# Altium PCB spd150.PcbDoc (part 14 of 15) (continued)
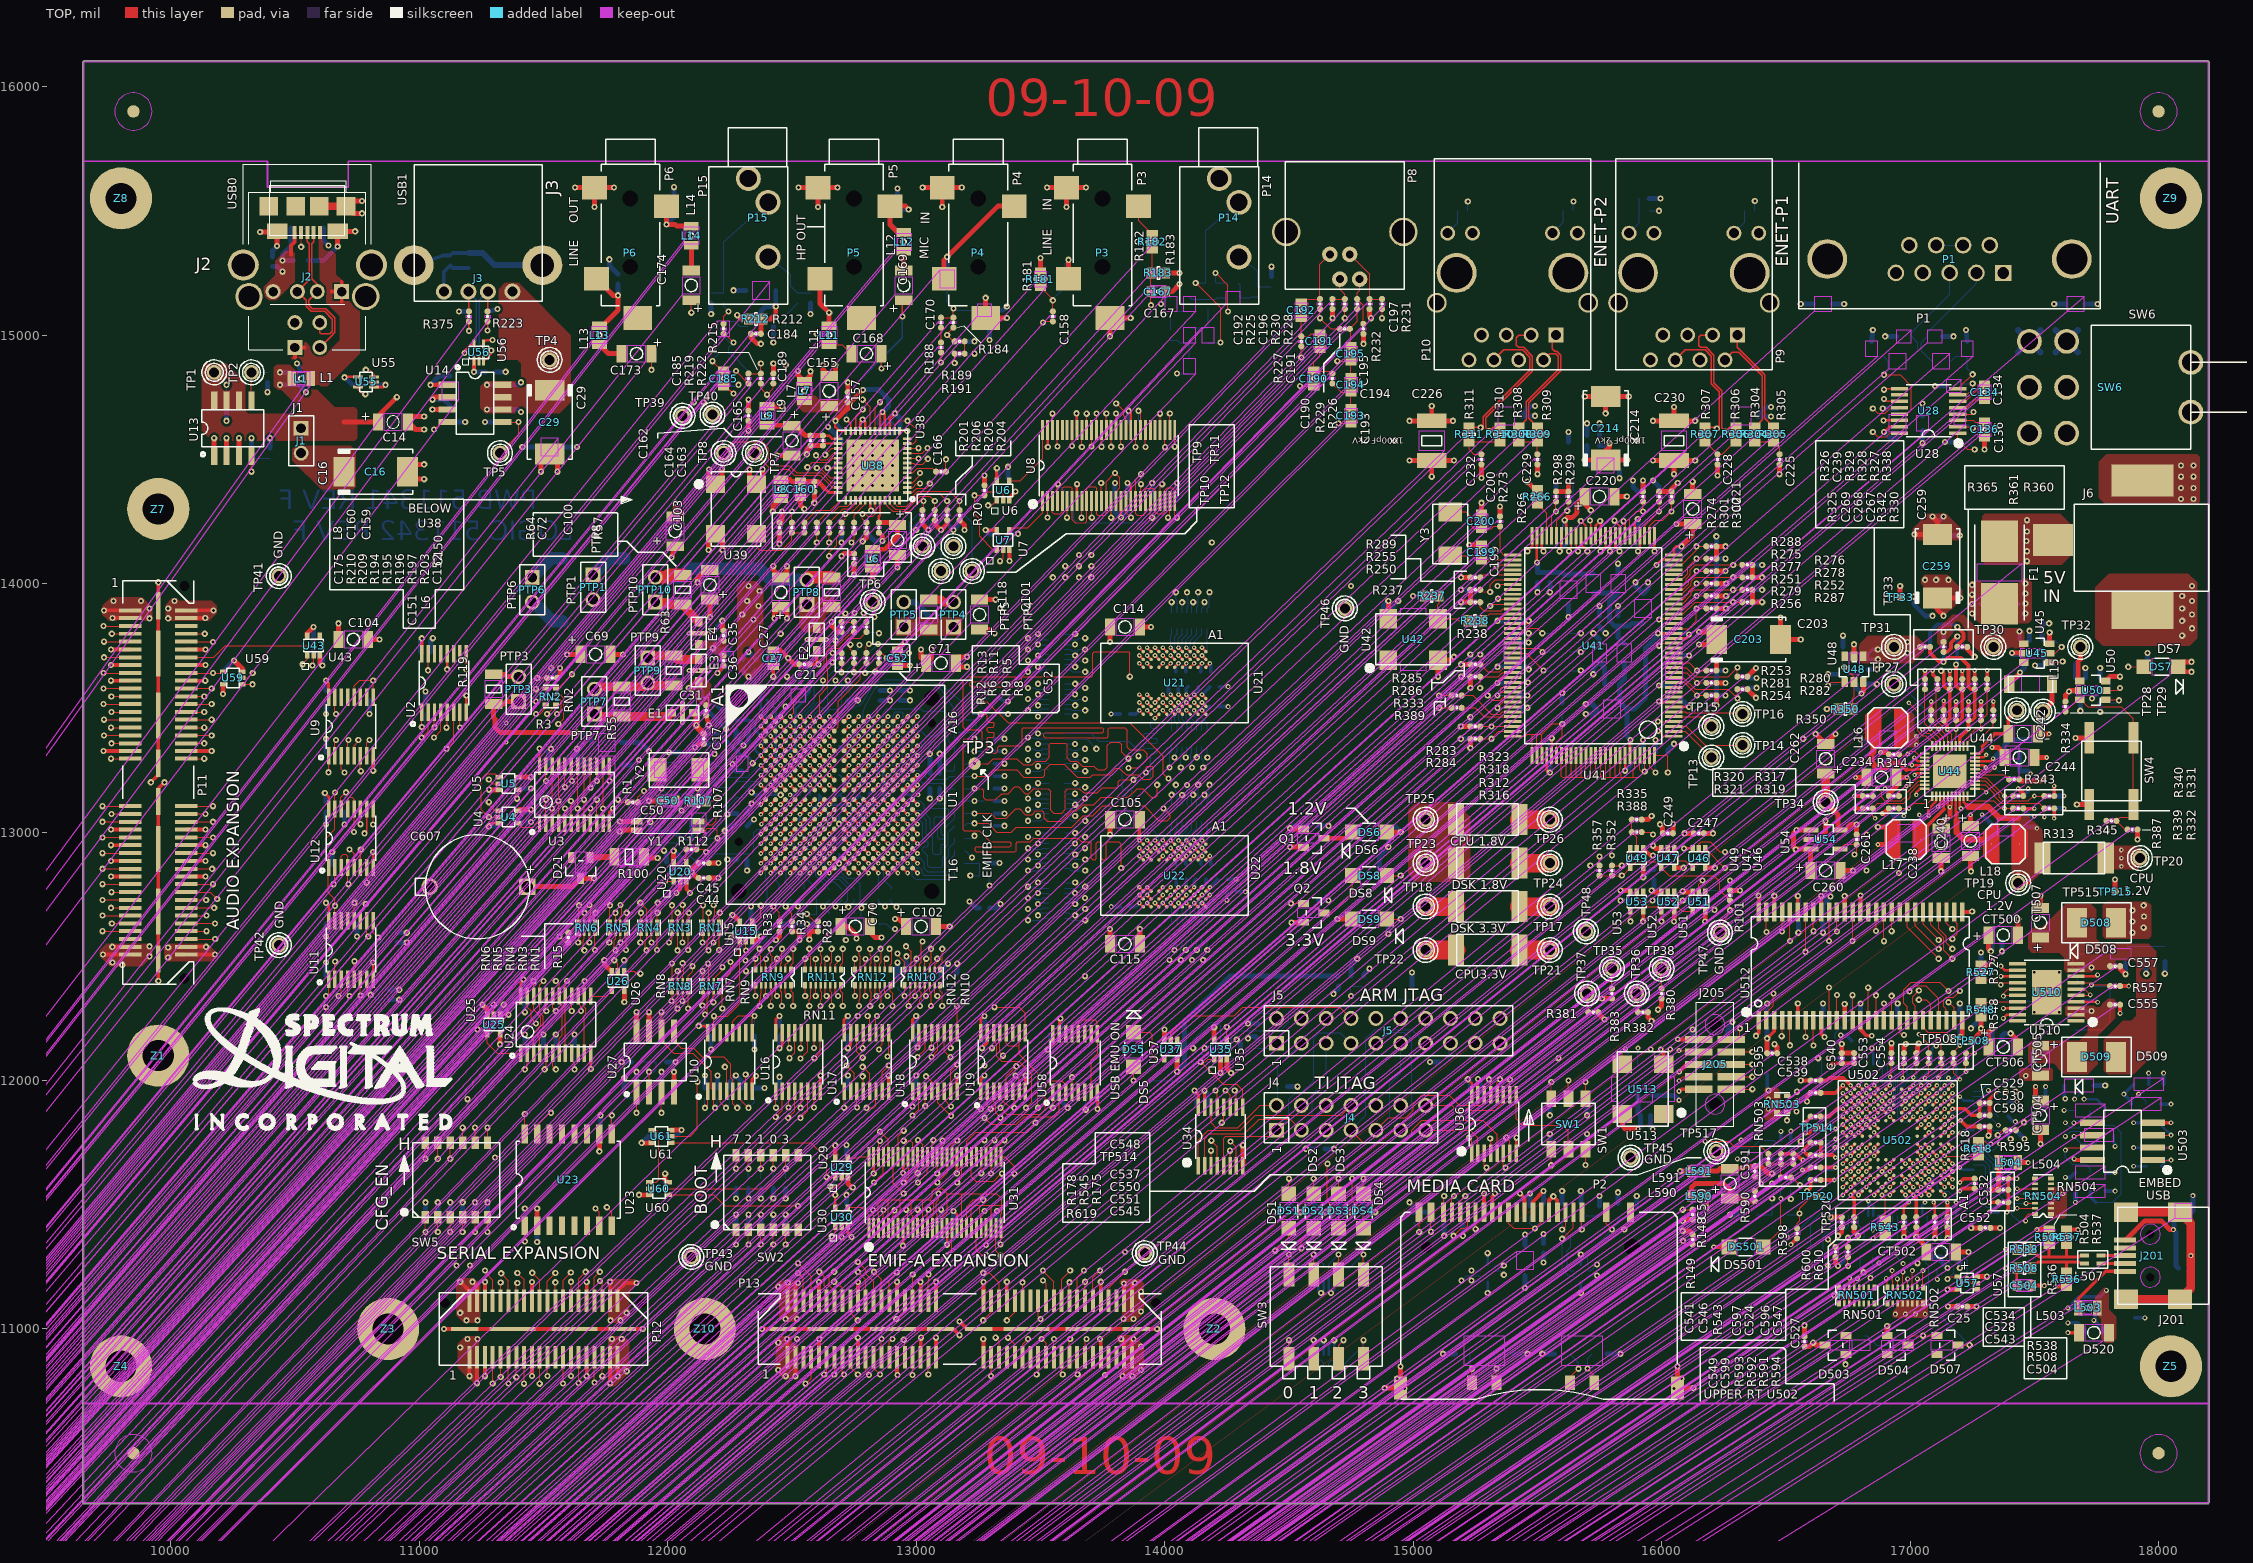
[diagram p0: TOP view]
## Silkscreen, mask and mechanical layers (free items; w line width, h text height) (continued)
  text "L24" at 28015,13965.9 h50
  text "PTP7" at 6390,13950.9 h50
  text "R55" at 6667.5,13950.9 h50 r90
  text "C242" at 15295,13950.9 h50 r90
  text "C253" at 19367.5,13943.4 h50 r90
  text "U44" at 14835,13935.9 h50
  text "C245" at 19712.5,13935.9 h50
  text "C211" at 22190,13935.9 h50
  text "R268" at 23162.5,13920.9 h50
  text "R236" at 22697.5,13905.9 h50
  text "R109" at 27895,13905.9 h50 r90
  text "L16" at 14190,13898.4 h50 r90
  text "TP14" at 13537.5,13890.9 h50
  text "C17" at 7297.8,13888.1 h50 r90
  text "TP3" at 8760,13868.4 h75
  text "R334" at 15442.5,13868.4 h50 r90
  text "R241" at 22232.5,13868.4 h50
  text "R283" at 11550,13860.9 h50
  text "R323" at 11872.5,13823.4 h50
  text "RN21" at 24977.5,13815.9 h50 r90
  text "C262" at 13810,13808.4 h50 r90
  text "R46" at 30085,13800.9 h50 r90
  text "C234" at 14065,13793.4 h50
  text "RN14" at 25367.5,13793.4 h50 r90
  text "R284" at 11550,13785.9 h50
  text "R314" at 14272.5,13785.9 h50
  text "C2" at 28750,13785.9 h50
  text "C244" at 15295,13763.4 h50
  text "C20" at 29125,13763.4 h50 r90
  text "R108" at 29207.5,13763.4 h50 r90
  text "L25" at 28457.5,13755.9 h50
  text "R318" at 11872.5,13748.4 h50
  text "R315" at 20470,13748.4 h50
  text "+" at 14062.5,13740.9 h50 r90
  text "+" at 15022.5,13740.9 h50
  text "+" at 14505,13718.4 h50 r180
  text "Y2" at 6832.5,13710.9 h50 r90
  text "U41" at 12502.5,13710.9 h50
  text "R320" at 13290,13703.4 h50
  text "R317" at 13537.5,13703.4 h50
  text "R343" at 15165,13688.4 h50
  text "SW4" at 15945,13688.4 h50 r90
  text "R243" at 22232.5,13680.9 h50
  text "C48" at 28075,13680.9 h50 r90
  text "R312" at 11872.5,13665.9 h50
  text "TP13" at 13192.5,13658.4 h50 r90
  text "C205" at 22690,13643.4 h50 r90
  text "C4" at 28900,13643.4 h50 r90
  text "U5" at 5850,13635.9 h50 r90
  text "R321" at 13290,13628.4 h50
  text "R319" at 13537.5,13628.4 h50
  text "R1" at 6757.5,13620.9 h50 r90
  text "C49" at 27850,13620.9 h50 r90
  text "P11" at 4192.5,13613.4 h50 r90
  text "R242" at 22232.5,13605.9 h50
  text "R335" at 12705,13598.4 h50
  text "R340" at 16125,13598.4 h50 r90
  text "R331" at 16200,13598.4 h50 r90
  text "C235" at 20230,13598.4 h50
  text "R316" at 11872.5,13590.9 h50
  text "R336" at 18910,13583.4 h50
  text "R344" at 19165,13583.4 h50
  text "TP25" at 11430,13568.4 h50
  text "C105" at 9655,13545.9 h50
  text "U1" at 8723.7,13543.7 h50 r90
  text "TP34" at 13657.5,13538.4 h50
  text "1" at 14550,13538.4 h50
  text "R388" at 12705,13523.4 h50
  text "R324" at 20230,13523.4 h50
  text "R322" at 20732.5,13515.9 h50 r90
  text "+" at 14670,13508.4 h50 r270
  text "+" at 14767.5,13508.4 h50 r270
  text "R337" at 18910,13508.4 h50
  text "R341" at 19165,13508.4 h50
  text "C50" at 6810,13500.9 h50
  text "1.2V" at 10717.5,13500.9 h75
  text "R303" at 21910,13500.9 h50 r90
  text "R302" at 21985,13500.9 h50 r90
  text "R293" at 22060,13500.9 h50 r90
  text "C208" at 22135,13500.9 h50 r90
  text "R103" at 29132.5,13500.9 h50 r90
  text "R106" at 29207.5,13500.9 h50 r90
  text "R51" at 29830,13493.4 h50 r90
  text "R107" at 7305,13478.4 h50 r90
  text "RN13" at 25367.5,13478.4 h50 r90
  text "C12" at 30085,13478.4 h50 r90
  text "U4" at 5857.5,13425.9 h50 r90
  text "C249" at 13042.5,13425.9 h50 r90
  text "C247" at 13132.5,13425.9 h50
  text "RN20" at 24625,13410.9 h50 r90
  text "A1" at 10260,13403.4 h50
  text "R345" at 15540,13380.9 h50
  text "C61" at 28120,13373.4 h50
  text "C47" at 28330,13373.4 h50
  text "R367" at 23620,13365.9 h50
  text "R313" at 15277.5,13358.4 h50
  text "C607" at 5422.5,13343.4 h50
  text "R339" at 16117.5,13343.4 h50 r90
  text "R332" at 16200,13343.4 h50 r90
  text "R369" at 23920,13343.4 h50
  text "Q1" at 10665,13328.4 h50
  text "TP26" at 12210,13328.4 h50
  text "C241" at 19767.5,13320.9 h50
  text "U3" at 6255,13313.4 h50
  text "Y1" at 6855,13313.4 h50
  text "R112" at 7035,13313.4 h50
  text "CPU 1.8V" at 11700,13313.4 h50
  text "C3" at 28840,13313.4 h50 r90
  text "TP23" at 11437.5,13298.4 h50
  text "C94" at 28120,13298.4 h50
  text "C240" at 14695,13290.9 h50 r90
  text "R387" at 15990,13290.9 h50 r90
  text "C46" at 28330,13290.9 h50
  text "R357" at 12615,13283.4 h50 r90
  text "R352" at 12697.5,13283.4 h50 r90
  text "DS6" at 11122.5,13260.9 h50
  text "U54" at 13747.5,13260.9 h50 r90
  text "C237" at 20367.5,13253.4 h50
  text "R19" at 28952.5,13245.9 h50 r90
  text "R104" at 28577.5,13215.9 h50 r90
  text "U12" at 4875,13208.4 h50 r90
  text "C261" at 14235,13200.9 h50 r90
  text "R105" at 28607.5,13200.9 h50
  text "+" at 6180,13193.4 h50 r180
  text "TP20" at 15945,13193.4 h50
  text "C251" at 21947.5,13185.9 h50 r90
  text "C106" at 24385,13185.9 h50
  text "RN18" at 25367.5,13178.4 h50 r90
  text "L17" at 14302.5,13170.9 h50
  text "C113" at 24895,13170.9 h50
  text "U49" at 13440,13155.9 h50 r90
  text "U47" at 13515,13155.9 h50 r90
  text "U46" at 13582.5,13155.9 h50 r90
  text "+" at 13777.5,13155.9 h50
  text "C108" at 24122.5,13155.9 h50
  text "1.8V" at 10687.5,13140.9 h75
  text "C81" at 27452.5,13140.9 h50
  text "L18" at 14895,13133.4 h50
  text "R100" at 6677.5,13118.4 h50
  text "EMIFB CLK" at 8932.5,13118.4 h50 r90
  text "D21" at 6337.5,13110.9 h50 r90
  text "C238" at 14522.5,13110.9 h50 r90
  text "C51" at 27805,13110.9 h50 r90
  text "U22" at 10552.5,13103.4 h50 r90
  text "R370" at 23612.5,13103.4 h50
  text "R50" at 30055,13103.4 h50 r90
  text "T16" at 8726.7,13098.8 h50 r90
  text "C119" at 24895,13095.9 h50
  text "CPU" at 15802.5,13088.4 h50
  text "C107" at 24242.5,13080.9 h50
  text "R396" at 28030,13080.9 h50
  text "TP24" at 12202.5,13058.4 h50
  text "TP19" at 14805,13058.4 h50
  text "DSK 1.8V" at 11707.5,13050.9 h50
  text "U20" at 6967.5,13043.4 h50 r90
  text "R372" at 20860,13043.4 h50 r90
  text "R373" at 20965,13043.4 h50 r90
  text "TP18" at 11415,13035.9 h50
  text "C260" at 13892.5,13035.9 h50
  text "C45" at 7147.5,13028.4 h50
  text "Q2" at 10755,13028.4 h50
  text "1.2V" at 15765,13013.4 h50
  text "TP515" at 15397.5,13005.9 h50
  text "DS8" at 11085,12998.4 h50
  text "C275" at 27902.5,12998.4 h50
  text "CPU" at 14880,12990.9 h50
  text "C44" at 7147.5,12960.9 h50
  text "C112" at 24295,12945.9 h50
  text "1.2V" at 14932.5,12923.4 h50
  text "R354" at 22405,12923.4 h50 r90
  text "R358" at 22480,12923.4 h50 r90
  text "C257" at 21887.5,12908.4 h50 r90
  text "+" at 8002.5,12900.9 h50
  text "+" at 8355,12885.9 h50
  text "C102" at 8455,12885.9 h50
  text "TP48" at 12547.5,12885.9 h50 r90
  text "R371" at 23920,12885.9 h50
  text "C255" at 22082.5,12878.4 h50 r90
  text "C109" at 25067.5,12855.9 h50
  text "CT507" at 15267.5,12848.4 h50 r90
  text "C93" at 25930,12848.4 h50
  text "CT500" at 14915,12840.9 h50
  text "C604" at 21047.5,12840.9 h50 r90
  text "R374" at 23605,12840.9 h50
  text "C605" at 21190,12833.4 h50 r90
  text "C70" at 8242.5,12825.9 h50 r90
  text "R36" at 29492.5,12825.9 h50
  text "C39" at 27565,12818.4 h50
  text "GND" at 4657.5,12810.9 h50 r90
  text "AUDIO EXPANSION" at 4387.5,12803.4 h75 r90
  text "C11" at 30085,12803.4 h50 r90
  text "TP17" at 12202.5,12795.9 h50
  text "DSK 3.3V" at 11700,12788.4 h50
  text "R101" at 13470,12788.4 h50 r90
  text "RN17" at 25465,12780.9 h50
  text "R34" at 7807.5,12773.4 h50 r90
  text "U53" at 12735,12773.4 h50 r90
  text "Q501" at 19127.5,12773.4 h50
  text "C526" at 19727.5,12773.4 h50
  text "R102" at 21392.5,12773.4 h50 r90
  text "R363" at 21475,12773.4 h50 r90
  text "R33" at 7605,12765.9 h50 r90
  text "R48" at 29897.5,12758.4 h50 r90
  text "U52" at 12945,12750.9 h50 r90
  text "U51" at 13132.5,12750.9 h50 r90
  text "R554" at 18910,12750.9 h50 r90
  text "R555" at 18985,12750.9 h50 r90
  text "+" at 14850,12743.4 h50
  text "R28" at 7965,12720.9 h50 r90
  text "DS9" at 11107.5,12713.4 h50
  text "C256" at 21775,12713.4 h50 r90
  text "U15" at 7372.5,12705.9 h50 r90
  text "3.3V" at 10702.5,12705.9 h75
  text "+" at 15270,12668.4 h50 r90
  text "D508" at 15532.5,12660.9 h50
  text "RN22" at 24985,12660.9 h50 r90
  text "TP35" at 12562.5,12653.4 h50
  text "TP38" at 12877.5,12653.4 h50
  text "R35" at 29500,12638.4 h50
  text "TP42" at 4537.5,12615.9 h50 r90
  text "R553" at 19427.5,12615.9 h50 r90
  text "C115" at 9647.5,12600.9 h50
  text "TP22" at 11242.5,12600.9 h50
  text "C258" at 21692.5,12593.4 h50 r90
  text "C557" at 15787.5,12578.4 h50
  text "R87" at 25142.5,12578.4 h50 r90
  text "R79" at 25210,12578.4 h50 r90
  text "R69" at 25315,12578.4 h50 r90
  text "R75" at 25390,12578.4 h50 r90
  text "R66" at 25465,12578.4 h50 r90
  text "R27" at 25532.5,12578.4 h50 r90
  text "R39" at 25600,12578.4 h50 r90
  text "R32" at 25667.5,12578.4 h50 r90
  text "R31" at 25735,12578.4 h50 r90
  text "R15" at 6337.5,12570.9 h50 r90
  text "RN6" at 5902.5,12555.9 h50 r90
  text "RN5" at 5977.5,12555.9 h50 r90
  text "RN4" at 6052.5,12555.9 h50 r90
  text "RN3" at 6127.5,12555.9 h50 r90
  text "RN1" at 6202.5,12555.9 h50 r90
  text "U11" at 4867.5,12533.4 h50 r90
  text "TP21" at 12195,12533.4 h50
  text "TP47" at 13252.5,12533.4 h50 r90
  text "GND" at 13350,12533.4 h50 r90
  text "R74" at 27250,12533.4 h50
  text "R73" at 27542.5,12533.4 h50 r90
  text "CPU3.3V" at 11730,12510.9 h50
  text "TP36" at 12847.5,12510.9 h50 r90
  text "TP37" at 12517.5,12495.9 h50 r90
  text "R528" at 20117.5,12480.9 h50 r90
  text "R38" at 29530,12480.9 h50
  text "R527" at 15007.5,12473.4 h50 r90
  text "R173" at 23065,12435.9 h50
  text "C149" at 23965,12435.9 h50 r90
  text "R174" at 24040,12435.9 h50 r90
  text "C148" at 24115,12435.9 h50 r90
  text "R68" at 26627.5,12435.9 h50 r90
  text "R67" at 26702.5,12435.9 h50 r90
  text "R557" at 15817.5,12428.4 h50
  text "R49" at 30085,12428.4 h50 r90
  text "R71" at 26087.5,12405.9 h50 r90
  text "R70" at 26162.5,12405.9 h50 r90
  text "C123" at 28885,12405.9 h50 r90
  text "J205" at 13200,12398.4 h50
  text "RN8" at 6960,12390.9 h50 r90
  text "U512" at 13507.5,12390.9 h50 r90
  text "J5" at 10627.5,12383.4 h50
  text "R550" at 18917.5,12383.4 h50
  text "R78" at 25210,12383.4 h50 r90
  text "ARM JTAG" at 11152.5,12375.9 h75
  text "R77" at 25315,12375.9 h50 r90
  text "R80" at 25390,12375.9 h50 r90
  text "R65" at 25457.5,12375.9 h50 r90
  text "R24" at 25532.5,12375.9 h50 r90
  text "R26" at 25667.5,12375.9 h50 r90
  text "R25" at 25735,12375.9 h50 r90
  text "R72" at 25802.5,12375.9 h50 r90
  text "RN7" at 7380,12368.4 h50 r90
  text "C125" at 28277.5,12360.9 h50 r90
  text "RN9" at 7470,12353.4 h50 r90
  text "U26" at 6810,12345.9 h50 r90
  text "RN12" at 8715,12345.9 h50 r90
  text "RN10" at 8797.5,12345.9 h50 r90
  text "R176" at 24385,12338.4 h50 r90
  text "C555" at 15787.5,12330.9 h50
  text "R37" at 29537.5,12285.9 h50
  text "R381" at 12277.5,12270.9 h50
  text "RN11" at 7792.5,12263.4 h50
  text "JP502" at 18775,12263.4 h50
  text "R549" at 19945,12263.4 h50 r90
  text "R380" at 13057.5,12255.9 h50 r90
  text "R551" at 19480,12255.9 h50 r90
  text "R171" at 24572.5,12255.9 h50 r90
  text "C145" at 24655,12255.9 h50 r90
  text "U25" at 5812.5,12248.4 h50 r90
  text "C144" at 24497.5,12233.4 h50 r90
  text "C603" at 21385,12218.4 h50 r90
  text "C126" at 28150,12218.4 h50
  text "R548" at 15007.5,12203.4 h50 r90
  text "C602" at 21047.5,12203.4 h50 r90
  text "R613" at 20470,12195.9 h50 r90
  text "C600" at 20822.5,12195.9 h50 r90
  text "R382" at 12742.5,12188.4 h50
  text "1" at 13470,12188.4 h50
  text "JP503" at 18775,12188.4 h50
  text "U510" at 15195,12173.4 h50
  text "TP516" at 19457.5,12173.4 h50
  text "C124" at 29162.5,12165.9 h50 r90
  text "R137" at 29237.5,12165.9 h50 r90
  text "+" at 14895,12158.4 h50
  text "C265" at 25660,12158.4 h50
  text "+" at 15322.5,12143.4 h50 r270
  text "R383" at 12720,12128.4 h50 r90
  text "C601" at 20215,12128.4 h50 r90
  text "C43" at 26102.5,12128.4 h50 r90
  text "TP508" at 14535,12120.9 h50
  text "JP510" at 18775,12113.4 h50
  text "C41" at 26927.5,12113.4 h50 r90
  text "R45" at 27490,12113.4 h50 r90
  text "C40" at 27340,12105.9 h50 r90
  text "C42" at 26515,12090.9 h50 r90
  text "C10" at 27617.5,12090.9 h50 r90
  text "U24" at 6045,12083.4 h50 r90
  text "R614" at 20605,12060.9 h50
  text "R552" at 21430,12060.9 h50
  text "R142" at 28090,12060.9 h50
  text "R139" at 27812.5,12053.4 h50
  text "C556" at 19727.5,12045.9 h50
  text "JP509" at 18775,12038.4 h50
  text "D509" at 15840,12015.9 h50
  text "R136" at 28450,12008.4 h50 r90
  text "R617" at 22165,12000.9 h50
  text "U37" at 9937.5,11993.4 h50 r90
  text "R170" at 24745,11993.4 h50
  text "C538" at 13672.5,11985.9 h50
  text "R179" at 22945,11985.9 h50
  text "1" at 10680,11978.4 h50 r90
  text "CT506" at 14937.5,11978.4 h50
  text "C553" at 14220,11970.9 h50 r90
  text "C554" at 14325,11970.9 h50 r90
  text "JP508" at 18775,11963.4 h50
  text "C540" at 14025,11955.9 h50 r90
  text "U511" at 21122.5,11955.9 h50 r90
  text "U35" at 10455,11948.4 h50 r90
  text "CT505" at 15275,11948.4 h50 r90
  text "R615" at 19757.5,11940.9 h50
  text "C595" at 13590,11918.4 h50 r90
  text "C539" at 13672.5,11918.4 h50
  text "JP504" at 19262.5,11918.4 h50
  text "R133" at 28885,11918.4 h50 r90
  text "U27" at 6667.5,11903.4 h50 r90
  text "U502" at 14100,11903.4 h50
  text "R169" at 24062.5,11903.4 h50
  text "U16" at 7590,11895.9 h50 r90
  text "U10" at 7162.5,11880.9 h50 r90
  text "TP513" at 21235,11873.4 h50 r90
  text "R152" at 25210,11873.4 h50
  text "R616" at 19757.5,11865.9 h50
  text "L592" at 21917.5,11865.9 h50
  text "J4" at 10605,11858.4 h50
  text "C529" at 14977.5,11850.9 h50
  text "TI JTAG" at 10882.5,11843.4 h75
  text "R177" at 24377.5,11828.4 h50 r90
  text "U17" at 7995,11805.9 h50 r90
  text "R514" at 21767.5,11805.9 h50 r90
  text "C147" at 22772.5,11805.9 h50
  text "U19" at 8827.5,11798.4 h50 r90
  text "U18" at 8407.5,11790.9 h50 r90
  text "U58" at 9262.5,11790.9 h50 r90
  text "R384" at 25667.5,11790.9 h50
  text "USB EMU ON" at 9705,11775.9 h50 r90
  text "C530" at 14977.5,11775.9 h50
  text "+" at 15322.5,11768.4 h50 r270
  text "R88" at 26522.5,11768.4 h50 r90
  text "R84" at 26935,11768.4 h50 r90
  text "R83" at 27212.5,11768.4 h50 r90
  text "R89" at 26110,11760.9 h50 r90
  text "DS5" at 9877.5,11753.4 h50 r90
  text "R114" at 22337.5,11730.9 h50 r90
  text "C544" at 19532.5,11723.4 h50
  text "R111" at 22697.5,11723.4 h50 r90
  text "R138" at 28292.5,11723.4 h50 r90
  text "R141" at 28367.5,11723.4 h50 r90
  text "R135" at 28585,11715.9 h50 r90
  text "R134" at 28720,11715.9 h50 r90
  text "C598" at 14977.5,11700.9 h50
  text "UNDER BGA IN MIDDLE" at 29912.5,11670.9 h50
  text "C606" at 21730,11655.9 h50
  text "R143" at 27857.5,11655.9 h50 r90
  text "C143" at 24625,11648.4 h50
  text "R140" at 28052.5,11648.4 h50 r90
  text "JP507" at 19120,11610.9 h50
  text "U36" at 11782.5,11588.4 h50 r90
  text "CT504" at 15275,11573.4 h50 r90
  text "C593" at 21092.5,11573.4 h50
  text "R599" at 21362.5,11573.4 h50
  text "R132" at 28382.5,11565.9 h50
  text "TP517" at 13087.5,11550.9 h50
  text "U513" at 12757.5,11535.9 h50
  text "RN503" at 13590,11528.4 h50 r90
  text "R41" at 27445,11528.4 h50 r90
  text "R40" at 27520,11528.4 h50 r90
  text "R43" at 27595,11528.4 h50 r90
  text "R42" at 27670,11528.4 h50 r90
  text "R47" at 27745,11528.4 h50 r90
  text "7" at 7365,11513.4 h50
  text "2" at 7440,11513.4 h50
  text "1" at 7515,11513.4 h50
  text "0" at 7590,11513.4 h50
  text "3" at 7665,11513.4 h50
  text "H" at 7230,11490.9 h75
  text "C548" at 9645,11483.4 h50
  text "H" at 5347.5,11475.9 h75
  text "U34" at 10140,11475.9 h50 r90
  text "R595" at 15015,11468.4 h50
  text "R525" at 21092.5,11468.4 h50
  text "C274" at 27805,11468.4 h50
  text "TP45" at 12870,11460.9 h50
  text "JP506" at 19180,11460.9 h50
  text "1" at 10680,11453.4 h50 r90
  text "SW1" at 12645,11453.4 h50 r90
  text "R113" at 22465,11453.4 h50 r90
  text "R110" at 22562.5,11453.4 h50 r90
  text "C592" at 19660,11445.9 h50
  text "U61" at 6862.5,11423.4 h50
  text "C137" at 26942.5,11415.9 h50
  text "TP514" at 9585,11408.4 h50
  text "R618" at 14835,11408.4 h50 r90
  text "U503" at 16147.5,11408.4 h50 r90
  text "C91" at 30025,11408.4 h50
  text "C92" at 30625,11408.4 h50 r90
  text "GND" at 12870,11393.4 h50
  text "C146" at 23927.5,11393.4 h50
  text "C518" at 21482.5,11370.9 h50
  text "C90" at 30700,11370.9 h50
  text "L504" at 15210,11363.4 h50
  text "U29" at 7942.5,11355.9 h50 r90
  text "DS2" at 10897.5,11340.9 h50 r90
  text "DS3" at 11062.5,11340.9 h50 r90
  text "R151" at 26732.5,11325.9 h50
  text "C537" at 9645,11303.4 h50
  text "C591" at 13507.5,11295.9 h50 r90
  text "C85" at 30100,11295.9 h50
  text "C97" at 30700,11295.9 h50
  text "L591" at 12915,11280.9 h50
  text "R620" at 21347.5,11280.9 h50
  text "C273" at 28037.5,11265.9 h50
  text "EMBED" at 15855,11250.9 h50
  text "R154" at 22210,11250.9 h50 r90
  text "P2" at 12560,11243.4 h50
  text "R166" at 22750,11243.4 h50 r90
  text "R159" at 23155,11235.9 h50 r90
  text "R158" at 23260,11235.9 h50 r90
  text "C550" at 9645,11228.4 h50
  text "RN504" at 15360,11228.4 h50
  text "MEDIA CARD" at 11437.5,11220.9 h75
  text "C68" at 30700,11220.9 h50
  text "+" at 13327.5,11205.9 h50 r90
  text "L590" at 12892.5,11190.9 h50
  text "R167" at 23365,11190.9 h50 r90
  text "R168" at 23440,11190.9 h50 r90
  text "R165" at 22337.5,11183.4 h50 r90
  text "R155" at 22442.5,11183.4 h50 r90
  text "R157" at 22555,11183.4 h50 r90
  text "R156" at 22667.5,11183.4 h50 r90
  text "C76" at 30325,11183.4 h50
  text "C66" at 30625,11183.4 h50 r90
  text "USB" at 15900,11175.9 h50
  text "R511" at 21272.5,11175.9 h50
  text "R147" at 23680,11175.9 h50 r90
  text "R145" at 24122.5,11175.9 h50 r90
  text "R144" at 24272.5,11175.9 h50 r90
  text "R124" at 27617.5,11160.9 h50 r90
  text "R130" at 27692.5,11160.9 h50 r90
  text "R129" at 27760,11160.9 h50 r90
  text "R128" at 27835,11160.9 h50 r90
  text "R127" at 27902.5,11160.9 h50 r90
  text "C551" at 9645,11153.4 h50
  text "R175" at 9592.5,11145.9 h50 r90
  text "C75" at 30700,11145.9 h50
  text "R178" at 9442.5,11138.4 h50 r90
  text "R545" at 9517.5,11138.4 h50 r90
  text "DS4" at 11295,11138.4 h50 r90
  text "C532" at 14947.5,11138.4 h50 r90
  text "R146" at 23965,11138.4 h50 r90
  text "A1" at 14827.5,11115.9 h50 r90
  text "C138" at 26942.5,11115.9 h50
  text "OMAP-L137 EVM" at 3517.5,11108.4 h80
  text "U31" at 9090,11108.4 h50 r90
  text "C74" at 30325,11108.4 h50
  text "U60" at 6840,11100.9 h50
  text "JP505" at 19195,11093.4 h50
  text "U23" at 6772.5,11085.9 h50 r90
  text "BOOT" at 7215,11085.9 h75 r90
  text "C545" at 9645,11078.4 h50
  text "R619" at 9382.5,11063.4 h50
  text "C590" at 13247.5,11055.9 h50 r90
  text "R164" at 22030,11055.9 h50 r90
  text "C552" at 14775,11040.9 h50
  text "R590" at 13507.5,11033.4 h50 r90
  text "DS1" at 10650,11025.9 h50 r90
  text "L505" at 18872.5,11025.9 h50
  text "JP501" at 19195,11018.4 h50
  text "CFG_EN" at 5287.5,10988.4 h75 r90
  text "R172" at 21482.5,10988.4 h50
  text "R611" at 21227.5,10980.9 h50
  text "U30" at 7935,10973.4 h50 r90
  text "TP520" at 13995,10973.4 h50 r90
  text "+" at 22787.5,10973.4 h50 r270
  text "R379" at 29485,10973.4 h50 r90
  text "R377" at 29560,10973.4 h50 r90
  text "R378" at 29635,10973.4 h50 r90
  text "R376" at 29717.5,10973.4 h50 r90
  text "R386" at 28892.5,10965.9 h50 r90
  text "R385" at 28967.5,10965.9 h50 r90
  text "C95" at 29875,10958.4 h50
  text "C54" at 30100,10958.4 h50
  text "C59" at 30325,10958.4 h50
  text "C60" at 30625,10958.4 h50 r90
  text "C67" at 30700,10958.4 h50
  text "C53" at 30925,10958.4 h50
  text "C88" at 31187.5,10958.4 h50
  text "C141" at 22812.5,10950.9 h50 r90
  text "R153" at 25892.5,10943.4 h50 r90
  text "R597" at 20920,10913.4 h50
  text "C122" at 28570,10913.4 h50 r90
  text "R131" at 28652.5,10913.4 h50 r90
  text "R504" at 15555,10905.9 h50 r90
  text "R537" at 15630,10905.9 h50 r90
  text "R126" at 27617.5,10898.4 h50 r90
  text "R125" at 27692.5,10898.4 h50 r90
  text "R123" at 27767.5,10898.4 h50 r90
  text "R122" at 27842.5,10898.4 h50 r90
  text "R121" at 27917.5,10898.4 h50 r90
  text "ASSY 511340" at 3712.5,10890.9 h80
  text "SW5" at 5430,10890.9 h50
  text "R148" at 13245,10883.4 h50 r90
  text "TP44" at 9930,10868.4 h50
  text "R612" at 19960,10845.9 h50 r90
  text "C65" at 30700,10845.9 h50
  text "R598" at 13732.5,10838.4 h50 r90
  text "CT502" at 14285,10838.4 h50
  text "C140" at 26087.5,10830.9 h50 r90
  text "C139" at 26162.5,10830.9 h50 r90
  text "TP43" at 7192.5,10823.4 h50
  text "SERIAL EXPANSION" at 5580,10815.9 h75
  text "R539" at 18730,10808.4 h50
  text "C77" at 30325,10808.4 h50
  text "SW2" at 7515,10800.9 h50
  text "+" at 14835,10800.9 h50 r180
  text "U33" at 23057.5,10800.9 h50
  text "GND" at 9937.5,10785.9 h50
  text "EMIF-A EXPANSION" at 8182.5,10770.9 h75
  text "C62" at 30700,10770.9 h50
  text "C96" at 30925,10770.9 h50
  text "DS501" at 13350,10755.9 h50
  text "GND" at 7200,10748.4 h50
  text "C73" at 30325,10733.4 h50
  text "C64" at 30625,10733.4 h50 r90
  text "C142" at 22600,10703.4 h50 r90
  text "RN24" at 24040,10695.9 h50
  text "C86" at 30700,10695.9 h50
  text "C89" at 30925,10695.9 h50
  text "R600" at 13875,10688.4 h50 r90
  text "R610" at 13950,10688.4 h50 r90
  text "L507" at 15465,10688.4 h50
  text "C535" at 18662.5,10665.9 h50
  text "C80" at 30100,10658.4 h50
  text "C83" at 30325,10658.4 h50
  text "REV" at 3930,10650.9 h80
  text "C502" at 19615,10650.9 h50 r90
  text "P13" at 7402.5,10643.4 h50
  text "R149" at 13177.5,10635.9 h50 r90
  text "TP507" at 19892.5,10620.9 h50
  text "R536" at 15360,10598.4 h50 r90
  text "U57" at 15030,10590.9 h50 r90
  text "R534" at 19217.5,10583.4 h50
  text "C87" at 30100,10583.4 h50
  text "U32" at 22337.5,10508.4 h50 r90
  text "C98" at 30625,10508.4 h50 r90
  text "RN501" at 14070,10455.9 h50
  text "C534" at 14925,10448.4 h50
  text "L503" at 15232.5,10448.4 h50
  text "C25" at 14700,10433.4 h50
  text "J201" at 15975,10425.9 h50
  text "RN502" at 14647.5,10403.4 h50 r90
  text "SW3" at 10590,10395.9 h50 r90
  text "C528" at 14925,10380.9 h50
  text "C531" at 18947.5,10373.4 h50
  text "C541" at 13170,10365.9 h50 r90
  text "C546" at 13252.5,10365.9 h50 r90
  text "R543" at 13342.5,10358.4 h50 r90
  text "C597" at 13455,10350.9 h50 r90
  text "C524" at 13530,10350.9 h50 r90
  text "C596" at 13627.5,10350.9 h50 r90
  text "C547" at 13702.5,10350.9 h50 r90
  text "R602" at 21205,10343.4 h50 r90
  text "R603" at 21280,10343.4 h50 r90
  text "C594" at 21355,10343.4 h50 r90
  text "R604" at 21430,10343.4 h50 r90
  text "R607" at 21505,10343.4 h50 r90
  text "R608" at 21580,10343.4 h50 r90
  text "R606" at 21655,10343.4 h50 r90
  text "R605" at 21730,10343.4 h50 r90
  text "R601" at 21805,10343.4 h50 r90
  text "R609" at 21880,10343.4 h50 r90
  text "TP519" at 21955,10343.4 h50 r90
  text "TP518" at 22030,10343.4 h50 r90
  text "TP521" at 22105,10343.4 h50 r90
  text "S/N" at 3975,10320.9 h80
  text "P12" at 6937.5,10313.4 h50 r90
  text "C543" at 14925,10305.9 h50
  text "R160" at 22180,10305.9 h50
  text "R162" at 22765,10305.9 h50
  text "C527" at 13807.5,10275.9 h50 r90
  text "R538" at 15180,10268.4 h50
  text "R535" at 19210,10260.9 h50
  text "D520" at 15520,10245.9 h50
  text "R508" at 15180,10200.9 h50
  text "RN23" at 24047.5,10185.9 h50
  text "R161" at 22465,10133.4 h50
  text "D507" at 14595,10125.9 h50
  text "C504" at 15180,10125.9 h50
  text "R163" at 23117.5,10125.9 h50
  text "D504" at 14280,10118.4 h50
  text "D506" at 20342.5,10118.4 h50
  text "1" at 7545,10095.9 h50
  text "D503" at 13920,10095.9 h50
  text "D505" at 20650,10095.9 h50
  text "1" at 5655,10088.4 h50
  text "R593" at 13470,10043.4 h50 r90
  text "R592" at 13545,10043.4 h50 r90
  text "R591" at 13620,10043.4 h50 r90
  text "R594" at 13695,10043.4 h50 r90
  text "C549" at 13312.5,10035.9 h50 r90
  text "C599" at 13387.5,10035.9 h50 r90
  text "0" at 10687.5,9975.9 h75
  text "1" at 10845,9975.9 h75
  text "2" at 10987.5,9975.9 h75
  text "3" at 11145,9975.9 h75
  text "UPPER RT U502" at 13230,9975.9 h50
  text "ASSEMBLY COMPONENT SIDE" at 6100,8750 h250
  text "ASSEMBLY COMPONENT SIDE" at 6100,8750 h250
  text "ASSEMBLY SOLDER SIDE" at 22100,8750 h250
  text "APPROVED" at 26250,3175 h100
  text "SPECTRUM DIGITAL" at 29200,3000 h175
  text "SPECTRUM DIGITAL" at 29200,3000 h175
  text "CHECKED" at 26250,2925 h100
  text "DRAFTING" at 26250,2675 h100
  text "ionDesign" at 27500,2650 h100
  text "ionDesign" at 27500,2650 h100
  text "ASSEMBLY DRAWING," at 28800,2450 h150
  text "ASSEMBLY DRAWING," at 28800,2450 h150
  text "TURNING CONCEPT" at 32500,2450 h75
  text "DATE" at 23225,2425 h100
  text "09/10/09" at 24675,2425 h100
  text "09/10/09" at 24675,2425 h100
  text "ENGR" at 26250,2425 h100
  text "INTO REALITY" at 32600,2300 h75
  text "DESIGN ENGR" at 23225,2175 h100
  text "4410 SHOALWOOD" at 32600,2175 h55
  text "AUSTIN,TEXAS 78756" at 32475,2075 h55
  text "OMAP-L137 EVM" at 28800,2050 h150
  text "OMAP-L137 EVM" at 28800,2050 h150
  text "(512)260-5778" at 32650,1975 h55
  text "PROJECT ENGR" at 23225,1925 h100
  text "ENGR MGR" at 23225,1675 h100
  text "NONE" at 29600,1675 h100
  text "NONE" at 29600,1675 h100
  text "511340 REV F" at 31275,1525 h150
  text "NEXT ASSEMBLY" at 23950,1425 h100
  text "1 OF 1" at 29600,1425 h100
NCLEGEND-1-10:
  circle w1: c20640,16382.5 r75
  circle w1: c20640,16157.5 r75
  circle w1: c20640,15932.5 r75
  circle w1: c20640,15707.5 r75
  circle w1: c20640,15482.5 r75
  circle w1: c20640,15257.5 r75
  lines w1: 20285,15370 24025,15370 ; 20285,15595 24025,15595 ; 20285,15820 24025,15820 ; 20285,16045 24025,16045 ; 20285,16270 24025,16270 ; 20285,16495 24025,16495 ; 20285,16720 24025,16720 ; 20285,16945 24025,16945 ; 20285,17170 24025,17170 ; 20285,17395 24025,17395 ; 20285,17620 24025,17620 ; 20285,17845 24025,17845 ; 20285,18070 24025,18070 ; 20285,18295 24025,18295 ; 20285,18520 24025,18520 ; 20285,18745 24025,18745 ; 20285,18970 24025,18970 ; 20285,19195 24025,19195 ; 20285,19420 24025,19420 ; 20285,19645 24025,19645 ; 20285,19780 24025,19780 ; 20285,19915 24025,19915 ; 20995,15145 20995,19780 ; 22205,15145 22205,19780 ; 23415,15145 23415,19780 ; 20285,15145 20285,20165 24025,20165 24025,15145 20285,15145
  text "DRILL CHART: TOP to BOTTOM" at 20855,19977.5 h125
  text "ALL UNITS ARE IN MILS" at 21525,19802.5 h75
  text "FIGURE" at 20460,19667.5 h75
  text "SIZE" at 21480,19667.5 h75
  text "PLATING" at 22600,19667.5 h75
  text "QTY" at 23630,19667.5 h75
  text "8.0" at 21510,19495 h75
  text "PLATED" at 22630,19495 h75
  text "651" at 23630,19495 h75
  text "10.0" at 21480,19270 h75
  text "PLATED" at 22630,19270 h75
  text "141" at 23630,19270 h75
  text "12.0" at 21480,19045 h75
  text "PLATED" at 22630,19045 h75
  text "2019" at 23600,19045 h75
  text "32.0" at 21480,18820 h75
  text "PLATED" at 22630,18820 h75
  text "4" at 23690,18820 h75
  text "38.0" at 21480,18595 h75
  text "PLATED" at 22630,18595 h75
  text "8" at 23690,18595 h75
  text "40.0" at 21480,18370 h75
  text "PLATED" at 22630,18370 h75
  text "129" at 23630,18370 h75
  text "47.0" at 21480,18145 h75
  text "PLATED" at 22630,18145 h75
  text "11" at 23660,18145 h75
  text "63.0" at 21480,17920 h75
  text "PLATED" at 22630,17920 h75
  text "4" at 23690,17920 h75
  text "70.0" at 21480,17695 h75
  text "PLATED" at 22630,17695 h75
  text "14" at 23660,17695 h75
  text "86.0" at 21480,17470 h75
  text "PLATED" at 22630,17470 h75
  text "2" at 23690,17470 h75
  text "93.0" at 21480,17245 h75
  text "PLATED" at 22630,17245 h75
  text "2" at 23690,17245 h75
  text "95.0" at 21480,17020 h75
  text "PLATED" at 22630,17020 h75
  text "4" at 23690,17020 h75
  text "125.0" at 21450,16795 h75
  text "PLATED" at 22630,16795 h75
  text "11" at 23660,16795 h75
  text "128.0" at 21450,16570 h75
  text "PLATED" at 22630,16570 h75
  text "4" at 23690,16570 h75
  text "34.0" at 21480,16345 h75
  text "NON-PLATED" at 22510,16345 h75
  text "2" at 23690,16345 h75
  text "35.0" at 21480,16120 h75
  text "NON-PLATED" at 22510,16120 h75
  text "2" at 23690,16120 h75
  text "41.0" at 21480,15895 h75
  text "NON-PLATED" at 22510,15895 h75
  text "6" at 23690,15895 h75
  text "43.0" at 21480,15670 h75
  text "NON-PLATED" at 22510,15670 h75
  text "1" at 23690,15670 h75
  text "53.0" at 21480,15445 h75
  text "NON-PLATED" at 22510,15445 h75
  text "2" at 23690,15445 h75
  text "63.0" at 21480,15220 h75
  text "NON-PLATED" at 22510,15220 h75
  text "13" at 23660,15220 h75

## Text inside footprints (layer, text, board x,y; h text height)
C74: PIN_NUMBER "1" at 12741,13209 h20 r180; PIN_NUMBER "2" at 12781,13209 h20 r180; ASSEMBLY_BOTTOM "USERPART#" at 12769,13359 h25 r180; ASSEMBLY_BOTTOM "TOLERANCE" at 12769,13309 h25 r180; ASSEMBLY_BOTTOM "0.1uF" at 12769,13209 h25 r180; SYMBOL_PART_DIM "0" at 12677,13222 h25 r180; SYMBOL_PART_DIM "0" at 12761,13293 h25 r180; SYMBOL_PART_DIM "C402-35X32" at 12646,13347 h25 r180; SYMBOL_PART_DIM "PAD 35X32 OV" at 12646,13397 h25 r180
C75: PIN_NUMBER "1" at 12623,13209 h20; PIN_NUMBER "2" at 12583,13209 h20; ASSEMBLY_BOTTOM "USERPART#" at 12611,13059 h25; ASSEMBLY_BOTTOM "TOLERANCE" at 12611,13109 h25; ASSEMBLY_BOTTOM "0.1uF" at 12611,13209 h25; SYMBOL_PART_DIM "0" at 12703,13196 h25; SYMBOL_PART_DIM "0" at 12619,13125 h25; SYMBOL_PART_DIM "C402-35X32" at 12734,13071 h25; SYMBOL_PART_DIM "PAD 35X32 OV" at 12734,13021 h25
C76: PIN_NUMBER "1" at 12741,13249 h20 r180; PIN_NUMBER "2" at 12781,13249 h20 r180; ASSEMBLY_BOTTOM "USERPART#" at 12769,13399 h25 r180; ASSEMBLY_BOTTOM "TOLERANCE" at 12769,13349 h25 r180; ASSEMBLY_BOTTOM "0.1uF" at 12769,13249 h25 r180; SYMBOL_PART_DIM "0" at 12677,13262 h25 r180; SYMBOL_PART_DIM "0" at 12761,13333 h25 r180; SYMBOL_PART_DIM "C402-35X32" at 12646,13387 h25 r180; SYMBOL_PART_DIM "PAD 35X32 OV" at 12646,13437 h25 r180
C77: PIN_NUMBER "1" at 12740,13091 h20 r180; PIN_NUMBER "2" at 12780,13091 h20 r180; ASSEMBLY_BOTTOM "USERPART#" at 12768,13241 h25 r180; ASSEMBLY_BOTTOM "TOLERANCE" at 12768,13191 h25 r180; ASSEMBLY_BOTTOM "0.1uF" at 12768,13091 h25 r180; SYMBOL_PART_DIM "0" at 12676,13104 h25 r180; SYMBOL_PART_DIM "0" at 12760,13175 h25 r180; SYMBOL_PART_DIM "C402-35X32" at 12645,13229 h25 r180; SYMBOL_PART_DIM "PAD 35X32 OV" at 12645,13279 h25 r180
C78: PIN_NUMBER "1" at 12927,13570 h20 r90; PIN_NUMBER "2" at 12927,13530 h20 r90; ASSEMBLY_BOTTOM "USERPART#" at 13085,13550 h25 r90; ASSEMBLY_BOTTOM "TOLERANCE" at 13035,13550 h25 r90; ASSEMBLY_BOTTOM "0.1uF" at 12935,13550 h25 r90; SYMBOL_PART_DIM "0" at 12948,13642 h25 r90; SYMBOL_PART_DIM "0" at 13019,13558 h25 r90; SYMBOL_PART_DIM "C402-35X32" at 13073,13673 h25 r90; SYMBOL_PART_DIM "PAD 35X32 OV" at 13123,13673 h25 r90
C79: PIN_NUMBER "1" at 12847,13570 h20 r90; PIN_NUMBER "2" at 12847,13530 h20 r90; ASSEMBLY_BOTTOM "USERPART#" at 13005,13550 h25 r90; ASSEMBLY_BOTTOM "TOLERANCE" at 12955,13550 h25 r90; ASSEMBLY_BOTTOM "0.1uF" at 12855,13550 h25 r90; SYMBOL_PART_DIM "0" at 12868,13642 h25 r90; SYMBOL_PART_DIM "0" at 12939,13558 h25 r90; SYMBOL_PART_DIM "C402-35X32" at 12993,13673 h25 r90; SYMBOL_PART_DIM "PAD 35X32 OV" at 13043,13673 h25 r90
C80: PIN_NUMBER "1" at 12780,13012 h20 r180; PIN_NUMBER "2" at 12820,13012 h20 r180; ASSEMBLY_BOTTOM "USERPART#" at 12808,13162 h25 r180; ASSEMBLY_BOTTOM "TOLERANCE" at 12808,13112 h25 r180; ASSEMBLY_BOTTOM "0.1uF" at 12808,13012 h25 r180; SYMBOL_PART_DIM "0" at 12716,13025 h25 r180; SYMBOL_PART_DIM "0" at 12800,13096 h25 r180; SYMBOL_PART_DIM "C402-35X32" at 12685,13150 h25 r180; SYMBOL_PART_DIM "PAD 35X32 OV" at 12685,13200 h25 r180
C81: PIN_NUMBER "1" at 12272,12890 h20 r180; PIN_NUMBER "2" at 12312,12890 h20 r180; ASSEMBLY_BOTTOM "USERPART#" at 12300,13040 h25 r180; ASSEMBLY_BOTTOM "TOLERANCE" at 12300,12990 h25 r180; ASSEMBLY_BOTTOM "0.1uF" at 12300,12890 h25 r180; SYMBOL_PART_DIM "0" at 12208,12903 h25 r180; SYMBOL_PART_DIM "0" at 12292,12974 h25 r180; SYMBOL_PART_DIM "C402-35X32" at 12177,13028 h25 r180; SYMBOL_PART_DIM "PAD 35X32 OV" at 12177,13078 h25 r180
C82: PIN_NUMBER "1" at 13087,13275 h20; PIN_NUMBER "2" at 13047,13275 h20; ASSEMBLY_BOTTOM "USERPART#" at 13075,13125 h25; ASSEMBLY_BOTTOM "TOLERANCE" at 13075,13175 h25; ASSEMBLY_BOTTOM "0.1uF" at 13075,13275 h25; SYMBOL_PART_DIM "0" at 13167,13262 h25; SYMBOL_PART_DIM "0" at 13083,13191 h25; SYMBOL_PART_DIM "C402-35X32" at 13198,13137 h25; SYMBOL_PART_DIM "PAD 35X32 OV" at 13198,13087 h25
C83: PIN_NUMBER "1" at 12742,13012 h20; PIN_NUMBER "2" at 12702,13012 h20; ASSEMBLY_BOTTOM "USERPART#" at 12730,12862 h25; ASSEMBLY_BOTTOM "TOLERANCE" at 12730,12912 h25; ASSEMBLY_BOTTOM "0.1uF" at 12730,13012 h25; SYMBOL_PART_DIM "0" at 12822,12999 h25; SYMBOL_PART_DIM "0" at 12738,12928 h25; SYMBOL_PART_DIM "C402-35X32" at 12853,12874 h25; SYMBOL_PART_DIM "PAD 35X32 OV" at 12853,12824 h25
C84: PIN_NUMBER "1" at 13087,13235 h20; PIN_NUMBER "2" at 13047,13235 h20; ASSEMBLY_BOTTOM "USERPART#" at 13075,13085 h25; ASSEMBLY_BOTTOM "TOLERANCE" at 13075,13135 h25; ASSEMBLY_BOTTOM "0.1uF" at 13075,13235 h25; SYMBOL_PART_DIM "0" at 13167,13222 h25; SYMBOL_PART_DIM "0" at 13083,13151 h25; SYMBOL_PART_DIM "C402-35X32" at 13198,13097 h25; SYMBOL_PART_DIM "PAD 35X32 OV" at 13198,13047 h25
C85: PIN_NUMBER "1" at 12781,13288 h20 r180; PIN_NUMBER "2" at 12821,13288 h20 r180; ASSEMBLY_BOTTOM "USERPART#" at 12809,13438 h25 r180; ASSEMBLY_BOTTOM "TOLERANCE" at 12809,13388 h25 r180; ASSEMBLY_BOTTOM "0.1uF" at 12809,13288 h25 r180; SYMBOL_PART_DIM "0" at 12717,13301 h25 r180; SYMBOL_PART_DIM "0" at 12801,13372 h25 r180; SYMBOL_PART_DIM "C402-35X32" at 12686,13426 h25 r180; SYMBOL_PART_DIM "PAD 35X32 OV" at 12686,13476 h25 r180
C86: PIN_NUMBER "1" at 12622,13012 h20 r180; PIN_NUMBER "2" at 12662,13012 h20 r180; ASSEMBLY_BOTTOM "USERPART#" at 12650,13162 h25 r180; ASSEMBLY_BOTTOM "TOLERANCE" at 12650,13112 h25 r180; ASSEMBLY_BOTTOM "0.1uF" at 12650,13012 h25 r180; SYMBOL_PART_DIM "0" at 12558,13025 h25 r180; SYMBOL_PART_DIM "0" at 12642,13096 h25 r180; SYMBOL_PART_DIM "C402-35X32" at 12527,13150 h25 r180; SYMBOL_PART_DIM "PAD 35X32 OV" at 12527,13200 h25 r180
C87: PIN_NUMBER "1" at 12781,12973 h20 r180; PIN_NUMBER "2" at 12821,12973 h20 r180; ASSEMBLY_BOTTOM "USERPART#" at 12809,13123 h25 r180; ASSEMBLY_BOTTOM "TOLERANCE" at 12809,13073 h25 r180; ASSEMBLY_BOTTOM "0.1uF" at 12809,12973 h25 r180; SYMBOL_PART_DIM "0" at 12717,12986 h25 r180; SYMBOL_PART_DIM "0" at 12801,13057 h25 r180; SYMBOL_PART_DIM "C402-35X32" at 12686,13111 h25 r180; SYMBOL_PART_DIM "PAD 35X32 OV" at 12686,13161 h25 r180
C88: PIN_NUMBER "1" at 12367,13150 h20 r180; PIN_NUMBER "2" at 12407,13150 h20 r180; ASSEMBLY_BOTTOM "USERPART#" at 12395,13300 h25 r180; ASSEMBLY_BOTTOM "TOLERANCE" at 12395,13250 h25 r180; ASSEMBLY_BOTTOM "0.1uF" at 12395,13150 h25 r180; SYMBOL_PART_DIM "0" at 12303,13163 h25 r180; SYMBOL_PART_DIM "0" at 12387,13234 h25 r180; SYMBOL_PART_DIM "C402-35X32" at 12272,13288 h25 r180; SYMBOL_PART_DIM "PAD 35X32 OV" at 12272,13338 h25 r180
C89: PIN_NUMBER "1" at 12584,12973 h20; PIN_NUMBER "2" at 12544,12973 h20; ASSEMBLY_BOTTOM "USERPART#" at 12572,12823 h25; ASSEMBLY_BOTTOM "TOLERANCE" at 12572,12873 h25; ASSEMBLY_BOTTOM "0.1uF" at 12572,12973 h25; SYMBOL_PART_DIM "0" at 12664,12960 h25; SYMBOL_PART_DIM "0" at 12580,12889 h25; SYMBOL_PART_DIM "C402-35X32" at 12695,12835 h25; SYMBOL_PART_DIM "PAD 35X32 OV" at 12695,12785 h25
C90: PIN_NUMBER "1" at 12584,13327 h20; PIN_NUMBER "2" at 12544,13327 h20; ASSEMBLY_BOTTOM "USERPART#" at 12572,13177 h25; ASSEMBLY_BOTTOM "TOLERANCE" at 12572,13227 h25; ASSEMBLY_BOTTOM "0.1uF" at 12572,13327 h25; SYMBOL_PART_DIM "0" at 12664,13314 h25; SYMBOL_PART_DIM "0" at 12580,13243 h25; SYMBOL_PART_DIM "C402-35X32" at 12695,13189 h25; SYMBOL_PART_DIM "PAD 35X32 OV" at 12695,13139 h25
C91: PIN_NUMBER "1" at 12860,13328 h20; PIN_NUMBER "2" at 12820,13328 h20; ASSEMBLY_BOTTOM "USERPART#" at 12848,13178 h25; ASSEMBLY_BOTTOM "TOLERANCE" at 12848,13228 h25; ASSEMBLY_BOTTOM "0.1uF" at 12848,13328 h25; SYMBOL_PART_DIM "0" at 12940,13315 h25; SYMBOL_PART_DIM "0" at 12856,13244 h25; SYMBOL_PART_DIM "C402-35X32" at 12971,13190 h25; SYMBOL_PART_DIM "PAD 35X32 OV" at 12971,13140 h25
C92: PIN_NUMBER "1" at 12682,13385 h20 r90; PIN_NUMBER "2" at 12682,13345 h20 r90; ASSEMBLY_BOTTOM "USERPART#" at 12840,13365 h25 r90; ASSEMBLY_BOTTOM "TOLERANCE" at 12790,13365 h25 r90; ASSEMBLY_BOTTOM "0.1uF" at 12690,13365 h25 r90; SYMBOL_PART_DIM "0" at 12703,13457 h25 r90; SYMBOL_PART_DIM "0" at 12774,13373 h25 r90; SYMBOL_PART_DIM "C402-35X32" at 12828,13488 h25 r90; SYMBOL_PART_DIM "PAD 35X32 OV" at 12878,13488 h25 r90
C93: PIN_NUMBER "1" at 13287,12695 h20; PIN_NUMBER "2" at 13247,12695 h20; ASSEMBLY_BOTTOM "USERPART#" at 13275,12545 h25; ASSEMBLY_BOTTOM "TOLERANCE" at 13275,12595 h25; ASSEMBLY_BOTTOM "0.1uF" at 13275,12695 h25; SYMBOL_PART_DIM "0" at 13367,12682 h25; SYMBOL_PART_DIM "0" at 13283,12611 h25; SYMBOL_PART_DIM "C402-35X32" at 13398,12557 h25; SYMBOL_PART_DIM "PAD 35X32 OV" at 13398,12507 h25
C94: PIN_NUMBER "1" at 12272,13025 h20 r180; PIN_NUMBER "2" at 12312,13025 h20 r180; ASSEMBLY_BOTTOM "USERPART#" at 12300,13175 h25 r180; ASSEMBLY_BOTTOM "TOLERANCE" at 12300,13125 h25 r180; ASSEMBLY_BOTTOM "0.1uF" at 12300,13025 h25 r180; SYMBOL_PART_DIM "0" at 12208,13038 h25 r180; SYMBOL_PART_DIM "0" at 12292,13109 h25 r180; SYMBOL_PART_DIM "C402-35X32" at 12177,13163 h25 r180; SYMBOL_PART_DIM "PAD 35X32 OV" at 12177,13213 h25 r180
C95: PIN_NUMBER "1" at 12957,13150 h20; PIN_NUMBER "2" at 12917,13150 h20; ASSEMBLY_BOTTOM "USERPART#" at 12945,13000 h25; ASSEMBLY_BOTTOM "TOLERANCE" at 12945,13050 h25; ASSEMBLY_BOTTOM "0.1uF" at 12945,13150 h25; SYMBOL_PART_DIM "0" at 13037,13137 h25; SYMBOL_PART_DIM "0" at 12953,13066 h25; SYMBOL_PART_DIM "C402-35X32" at 13068,13012 h25; SYMBOL_PART_DIM "PAD 35X32 OV" at 13068,12962 h25
C96: PIN_NUMBER "1" at 12584,13012 h20; PIN_NUMBER "2" at 12544,13012 h20; ASSEMBLY_BOTTOM "USERPART#" at 12572,12862 h25; ASSEMBLY_BOTTOM "TOLERANCE" at 12572,12912 h25; ASSEMBLY_BOTTOM "0.1uF" at 12572,13012 h25; SYMBOL_PART_DIM "0" at 12664,12999 h25; SYMBOL_PART_DIM "0" at 12580,12928 h25; SYMBOL_PART_DIM "C402-35X32" at 12695,12874 h25; SYMBOL_PART_DIM "PAD 35X32 OV" at 12695,12824 h25
C97: PIN_NUMBER "1" at 12584,13288 h20; PIN_NUMBER "2" at 12544,13288 h20; ASSEMBLY_BOTTOM "USERPART#" at 12572,13138 h25; ASSEMBLY_BOTTOM "TOLERANCE" at 12572,13188 h25; ASSEMBLY_BOTTOM "0.1uF" at 12572,13288 h25; SYMBOL_PART_DIM "0" at 12664,13275 h25; SYMBOL_PART_DIM "0" at 12580,13204 h25; SYMBOL_PART_DIM "C402-35X32" at 12695,13150 h25; SYMBOL_PART_DIM "PAD 35X32 OV" at 12695,13100 h25
C98: PIN_NUMBER "1" at 12682,12910 h20 r270; PIN_NUMBER "2" at 12682,12950 h20 r270; ASSEMBLY_BOTTOM "USERPART#" at 12540,12930 h25 r270; ASSEMBLY_BOTTOM "TOLERANCE" at 12590,12930 h25 r270; ASSEMBLY_BOTTOM "0.1uF" at 12690,12930 h25 r270; SYMBOL_PART_DIM "0" at 12677,12838 h25 r270; SYMBOL_PART_DIM "0" at 12606,12922 h25 r270; SYMBOL_PART_DIM "C402-35X32" at 12552,12807 h25 r270; SYMBOL_PART_DIM "PAD 35X32 OV" at 12502,12807 h25 r270
C99: PIN_NUMBER "1" at 12717,13570 h20 r90; PIN_NUMBER "2" at 12717,13530 h20 r90; ASSEMBLY_BOTTOM "USERPART#" at 12875,13550 h25 r90; ASSEMBLY_BOTTOM "TOLERANCE" at 12825,13550 h25 r90; ASSEMBLY_BOTTOM "0.1uF" at 12725,13550 h25 r90; SYMBOL_PART_DIM "0" at 12738,13642 h25 r90; SYMBOL_PART_DIM "0" at 12809,13558 h25 r90; SYMBOL_PART_DIM "C402-35X32" at 12863,13673 h25 r90; SYMBOL_PART_DIM "PAD 35X32 OV" at 12913,13673 h25 r90
C100: PIN_NUMBER "2" at 12439,14025 h40 r90; PIN_NUMBER "1" at 12439,13905 h40 r90; Top Overlay "+" at 12470,13850 h35 r90; ASSEMBLY_TOP "+" at 12420,13850 h40 r90; ASSEMBLY_TOP "X" at 12470,14005 h40 r90; ASSEMBLY_TOP "X" at 12470,13965 h40 r90; ASSEMBLY_TOP "33uF" at 12470,13930 h40 r90; SYMB_DIM "0" at 12480,13790 h40 r90; SYMB_DIM "0" at 12605,13940 h40 r90; SYMB_DIM "C1206-40X70" at 12074,14065 h40 r90; SYMB_DIM "SP  40X70OV" at 12654,14075 h40 r90; SYMB_DIM "SM  48X78" at 12611,14025 h40 r90; SYMB_DIM "PAD 40X70OV" at 12504,14075 h40 r90
C101: PIN_NUMBER "2" at 13239,13935 h40 r90; PIN_NUMBER "1" at 13239,13815 h40 r90; Top Overlay "+" at 13320,13785 h35 r90; ASSEMBLY_TOP "+" at 13220,13760 h40 r90; ASSEMBLY_TOP "X" at 13270,13915 h40 r90; ASSEMBLY_TOP "X" at 13270,13875 h40 r90; ASSEMBLY_TOP "33uF" at 13270,13840 h40 r90; SYMB_DIM "0" at 13280,13700 h40 r90; SYMB_DIM "0" at 13405,13850 h40 r90; SYMB_DIM "C1206-40X70" at 12874,13975 h40 r90; SYMB_DIM "SP  40X70OV" at 13454,13985 h40 r90; SYMB_DIM "SM  48X78" at 13411,13935 h40 r90; SYMB_DIM "PAD 40X70OV" at 13304,13985 h40 r90
C102: PIN_NUMBER "2" at 13064,12620 h40; PIN_NUMBER "1" at 12944,12620 h40; Top Overlay "+" at 12920,12660 h35; ASSEMBLY_TOP "+" at 12905,12655 h40; ASSEMBLY_TOP "X" at 13060,12605 h40; ASSEMBLY_TOP "X" at 13020,12605 h40; ASSEMBLY_TOP "33uF" at 12985,12605 h40; SYMB_DIM "0" at 12845,12595 h40; SYMB_DIM "0" at 12995,12470 h40; SYMB_DIM "C1206-40X70" at 12944,12825 h40; SYMB_DIM "SP  40X70OV" at 12954,12245 h40; SYMB_DIM "SM  48X78" at 12936,12320 h40; SYMB_DIM "PAD 40X70OV" at 12954,12395 h40
C103: PIN_NUMBER "2" at 12014,14270 h40 r90; PIN_NUMBER "1" at 12014,14150 h40 r90; Top Overlay "+" at 11975,14150 h35 r90; ASSEMBLY_TOP "+" at 11995,14095 h40 r90; ASSEMBLY_TOP "X" at 12045,14250 h40 r90; ASSEMBLY_TOP "X" at 12045,14210 h40 r90; ASSEMBLY_TOP "33uF" at 12045,14175 h40 r90; SYMB_DIM "0" at 12055,14035 h40 r90; SYMB_DIM "0" at 12180,14185 h40 r90; SYMB_DIM "C1206-40X70" at 11649,14310 h40 r90; SYMB_DIM "SP  40X70OV" at 12229,14320 h40 r90; SYMB_DIM "SM  48X78" at 12186,14270 h40 r90; SYMB_DIM "PAD 40X70OV" at 12079,14320 h40 r90
C104: PIN_NUMBER "2" at 10779,13775 h40; PIN_NUMBER "1" at 10659,13775 h40; ASSEMBLY_TOP "X" at 10775,13760 h40; ASSEMBLY_TOP "X" at 10735,13760 h40; ASSEMBLY_TOP "22 uF" at 10700,13760 h40; SYMB_DIM "0" at 10560,13750 h40; SYMB_DIM "0" at 10710,13625 h40; SYMB_DIM "C1206-40X70" at 10659,13980 h40; SYMB_DIM "SP  40X70OV" at 10669,13400 h40; SYMB_DIM "SM  48X78" at 10651,13475 h40; SYMB_DIM "PAD 40X70OV" at 10669,13550 h40
C105: PIN_NUMBER "2" at 13884.1,13050 h40; PIN_NUMBER "1" at 13764.1,13050 h40; ASSEMBLY_TOP "X" at 13880.1,13035 h40; ASSEMBLY_TOP "X" at 13840.1,13035 h40; ASSEMBLY_TOP "22 uF" at 13805.1,13035 h40; SYMB_DIM "0" at 13665.1,13025 h40; SYMB_DIM "0" at 13815.1,12900 h40; SYMB_DIM "C1206-40X70" at 13764.1,13255 h40; SYMB_DIM "SP  40X70OV" at 13774.1,12675 h40; SYMB_DIM "SM  48X78" at 13756.1,12750 h40; SYMB_DIM "PAD 40X70OV" at 13774.1,12825 h40
C106: PIN_NUMBER "2" at 14177.1,12870 h20 r180; PIN_NUMBER "1" at 14137.1,12870 h20 r180; ASSEMBLY_BOTTOM "USERPART#" at 14165.1,13020 h25 r180; ASSEMBLY_BOTTOM "TOLERANCE" at 14165.1,12970 h25 r180; ASSEMBLY_BOTTOM "0.1uF" at 14165.1,12870 h25 r180; SYMBOL_PART_DIM "0" at 14073.1,12883 h25 r180; SYMBOL_PART_DIM "0" at 14157.1,12954 h25 r180; SYMBOL_PART_DIM "C402-35X32" at 14042.1,13008 h25 r180; SYMBOL_PART_DIM "PAD 35X32 OV" at 14042.1,13058 h25 r180
C107: PIN_NUMBER "2" at 14243.6,12810 h20 r180; PIN_NUMBER "1" at 14203.6,12810 h20 r180; ASSEMBLY_BOTTOM "USERPART#" at 14231.6,12960 h25 r180; ASSEMBLY_BOTTOM "TOLERANCE" at 14231.6,12910 h25 r180; ASSEMBLY_BOTTOM "0.1uF" at 14231.6,12810 h25 r180; SYMBOL_PART_DIM "0" at 14139.6,12823 h25 r180; SYMBOL_PART_DIM "0" at 14223.6,12894 h25 r180; SYMBOL_PART_DIM "C402-35X32" at 14108.6,12948 h25 r180; SYMBOL_PART_DIM "PAD 35X32 OV" at 14108.6,12998 h25 r180
C108: PIN_NUMBER "2" at 14158.6,12810 h20 r180; PIN_NUMBER "1" at 14118.6,12810 h20 r180; ASSEMBLY_BOTTOM "USERPART#" at 14146.6,12960 h25 r180; ASSEMBLY_BOTTOM "TOLERANCE" at 14146.6,12910 h25 r180; ASSEMBLY_BOTTOM "0.1uF" at 14146.6,12810 h25 r180; SYMBOL_PART_DIM "0" at 14054.6,12823 h25 r180; SYMBOL_PART_DIM "0" at 14138.6,12894 h25 r180; SYMBOL_PART_DIM "C402-35X32" at 14023.6,12948 h25 r180; SYMBOL_PART_DIM "PAD 35X32 OV" at 14023.6,12998 h25 r180
C109: PIN_NUMBER "2" at 13812.1,12700 h20; PIN_NUMBER "1" at 13852.1,12700 h20; ASSEMBLY_BOTTOM "USERPART#" at 13840.1,12550 h25; ASSEMBLY_BOTTOM "TOLERANCE" at 13840.1,12600 h25; ASSEMBLY_BOTTOM "0.1uF" at 13840.1,12700 h25; SYMBOL_PART_DIM "0" at 13932.1,12687 h25; SYMBOL_PART_DIM "0" at 13848.1,12616 h25; SYMBOL_PART_DIM "C402-35X32" at 13963.1,12562 h25; SYMBOL_PART_DIM "PAD 35X32 OV" at 13963.1,12512 h25
C110: PIN_NUMBER "2" at 14127.1,13585 h20 r180; PIN_NUMBER "1" at 14087.1,13585 h20 r180; ASSEMBLY_BOTTOM "USERPART#" at 14115.1,13735 h25 r180; ASSEMBLY_BOTTOM "TOLERANCE" at 14115.1,13685 h25 r180; ASSEMBLY_BOTTOM "0.1uF" at 14115.1,13585 h25 r180; SYMBOL_PART_DIM "0" at 14023.1,13598 h25 r180; SYMBOL_PART_DIM "0" at 14107.1,13669 h25 r180; SYMBOL_PART_DIM "C402-35X32" at 13992.1,13723 h25 r180; SYMBOL_PART_DIM "PAD 35X32 OV" at 13992.1,13773 h25 r180
C111: PIN_NUMBER "2" at 14177.1,13645 h20 r180; PIN_NUMBER "1" at 14137.1,13645 h20 r180; ASSEMBLY_BOTTOM "USERPART#" at 14165.1,13795 h25 r180; ASSEMBLY_BOTTOM "TOLERANCE" at 14165.1,13745 h25 r180; ASSEMBLY_BOTTOM "0.1uF" at 14165.1,13645 h25 r180; SYMBOL_PART_DIM "0" at 14073.1,13658 h25 r180; SYMBOL_PART_DIM "0" at 14157.1,13729 h25 r180; SYMBOL_PART_DIM "C402-35X32" at 14042.1,13783 h25 r180; SYMBOL_PART_DIM "PAD 35X32 OV" at 14042.1,13833 h25 r180